# Altium PCB PCB1.PcbDoc
Units mil, origin at the board's own origin, x right, y up, seen from the top; angles counter-clockwise.
Board outline 1968.5 x 1850.39 mil, 2 copper layers (Top Layer, Bottom Layer); 26 components, 19 nets, 75 pads, 9 vias.
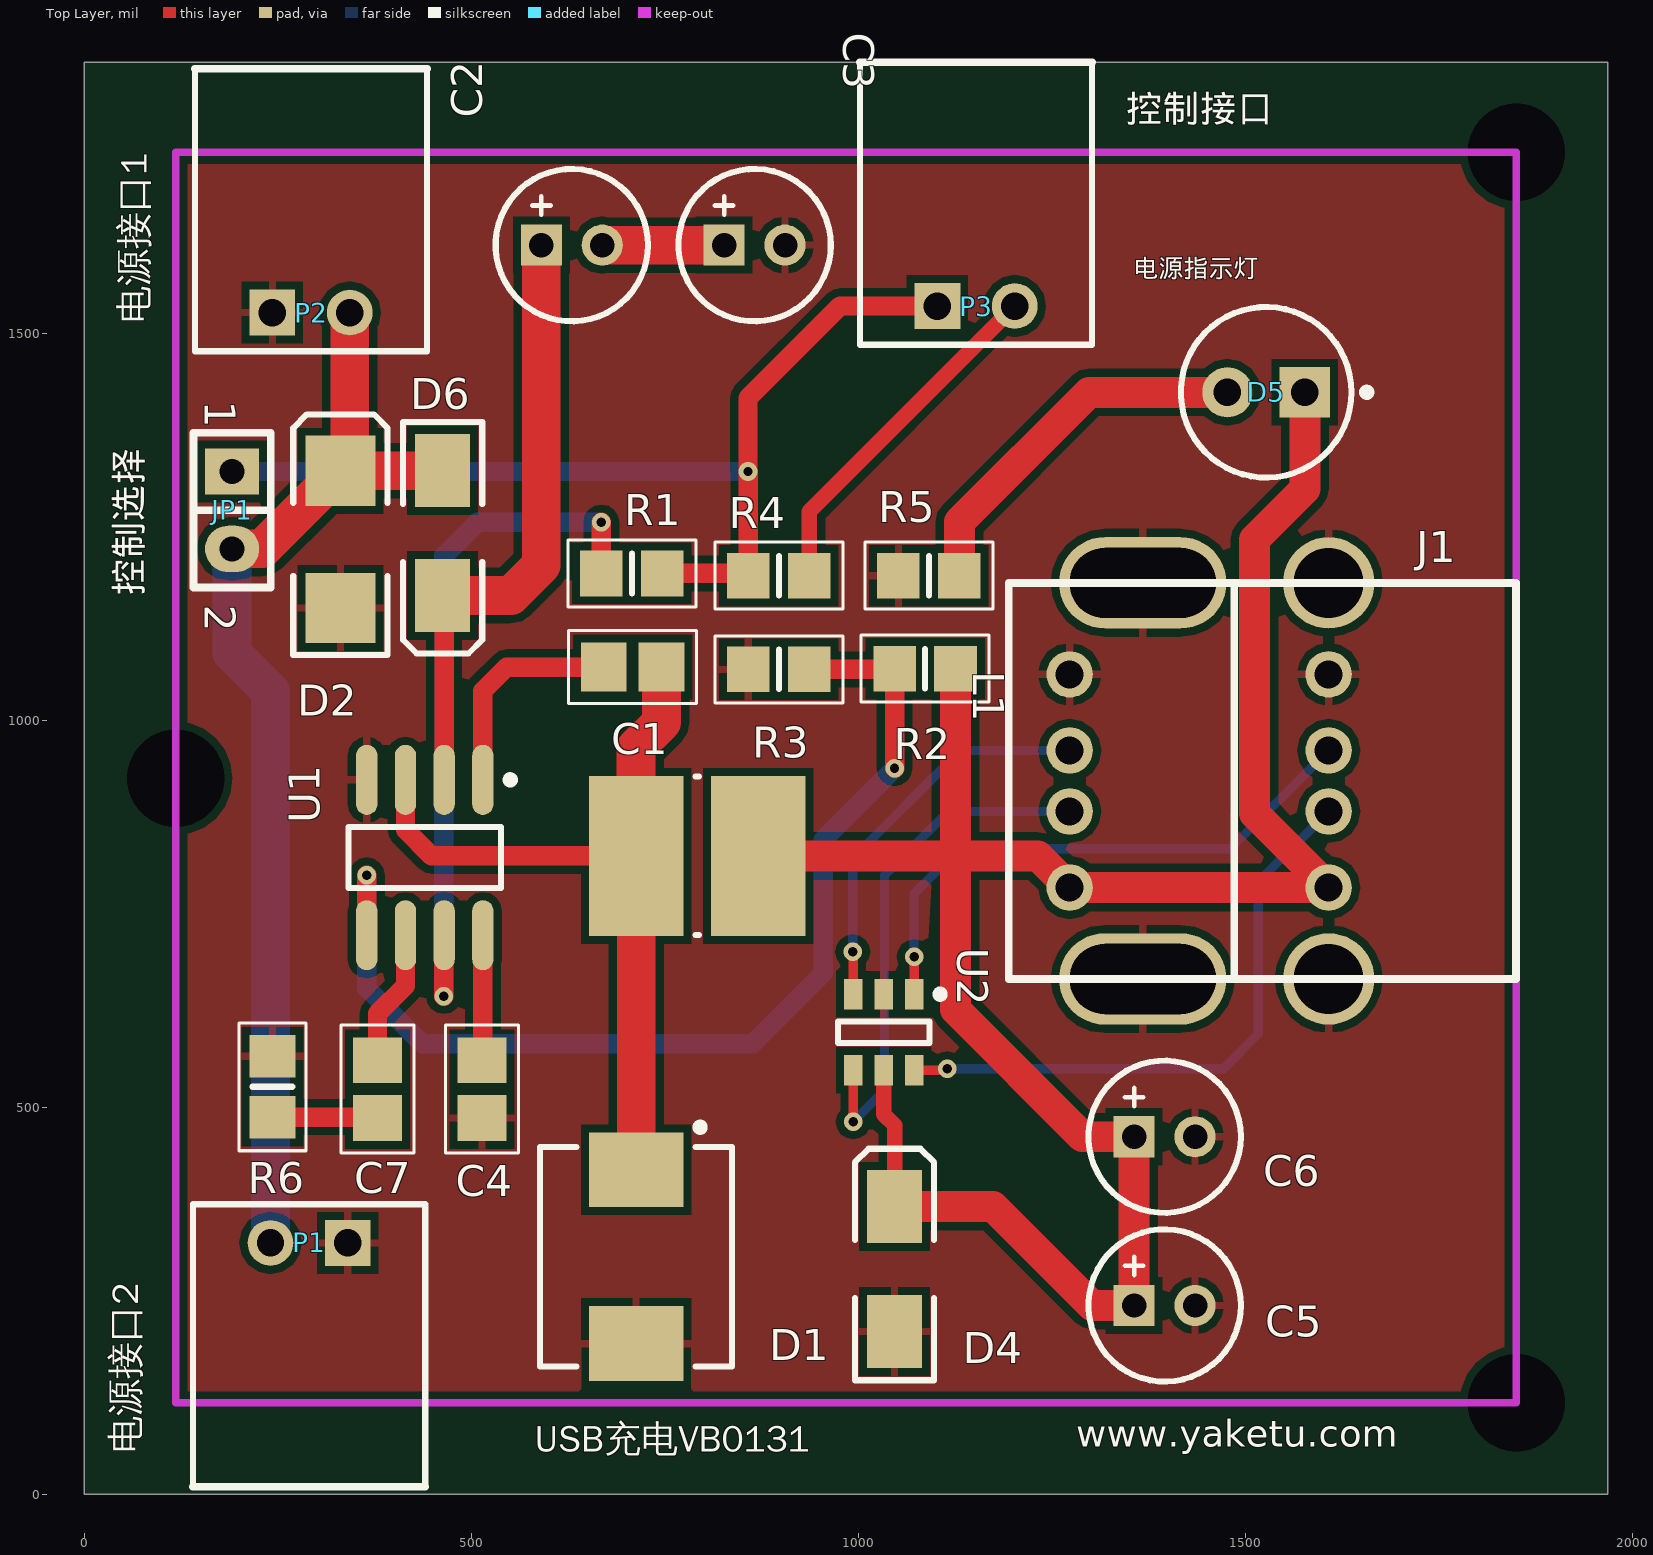
[diagram p0: Top Layer view]
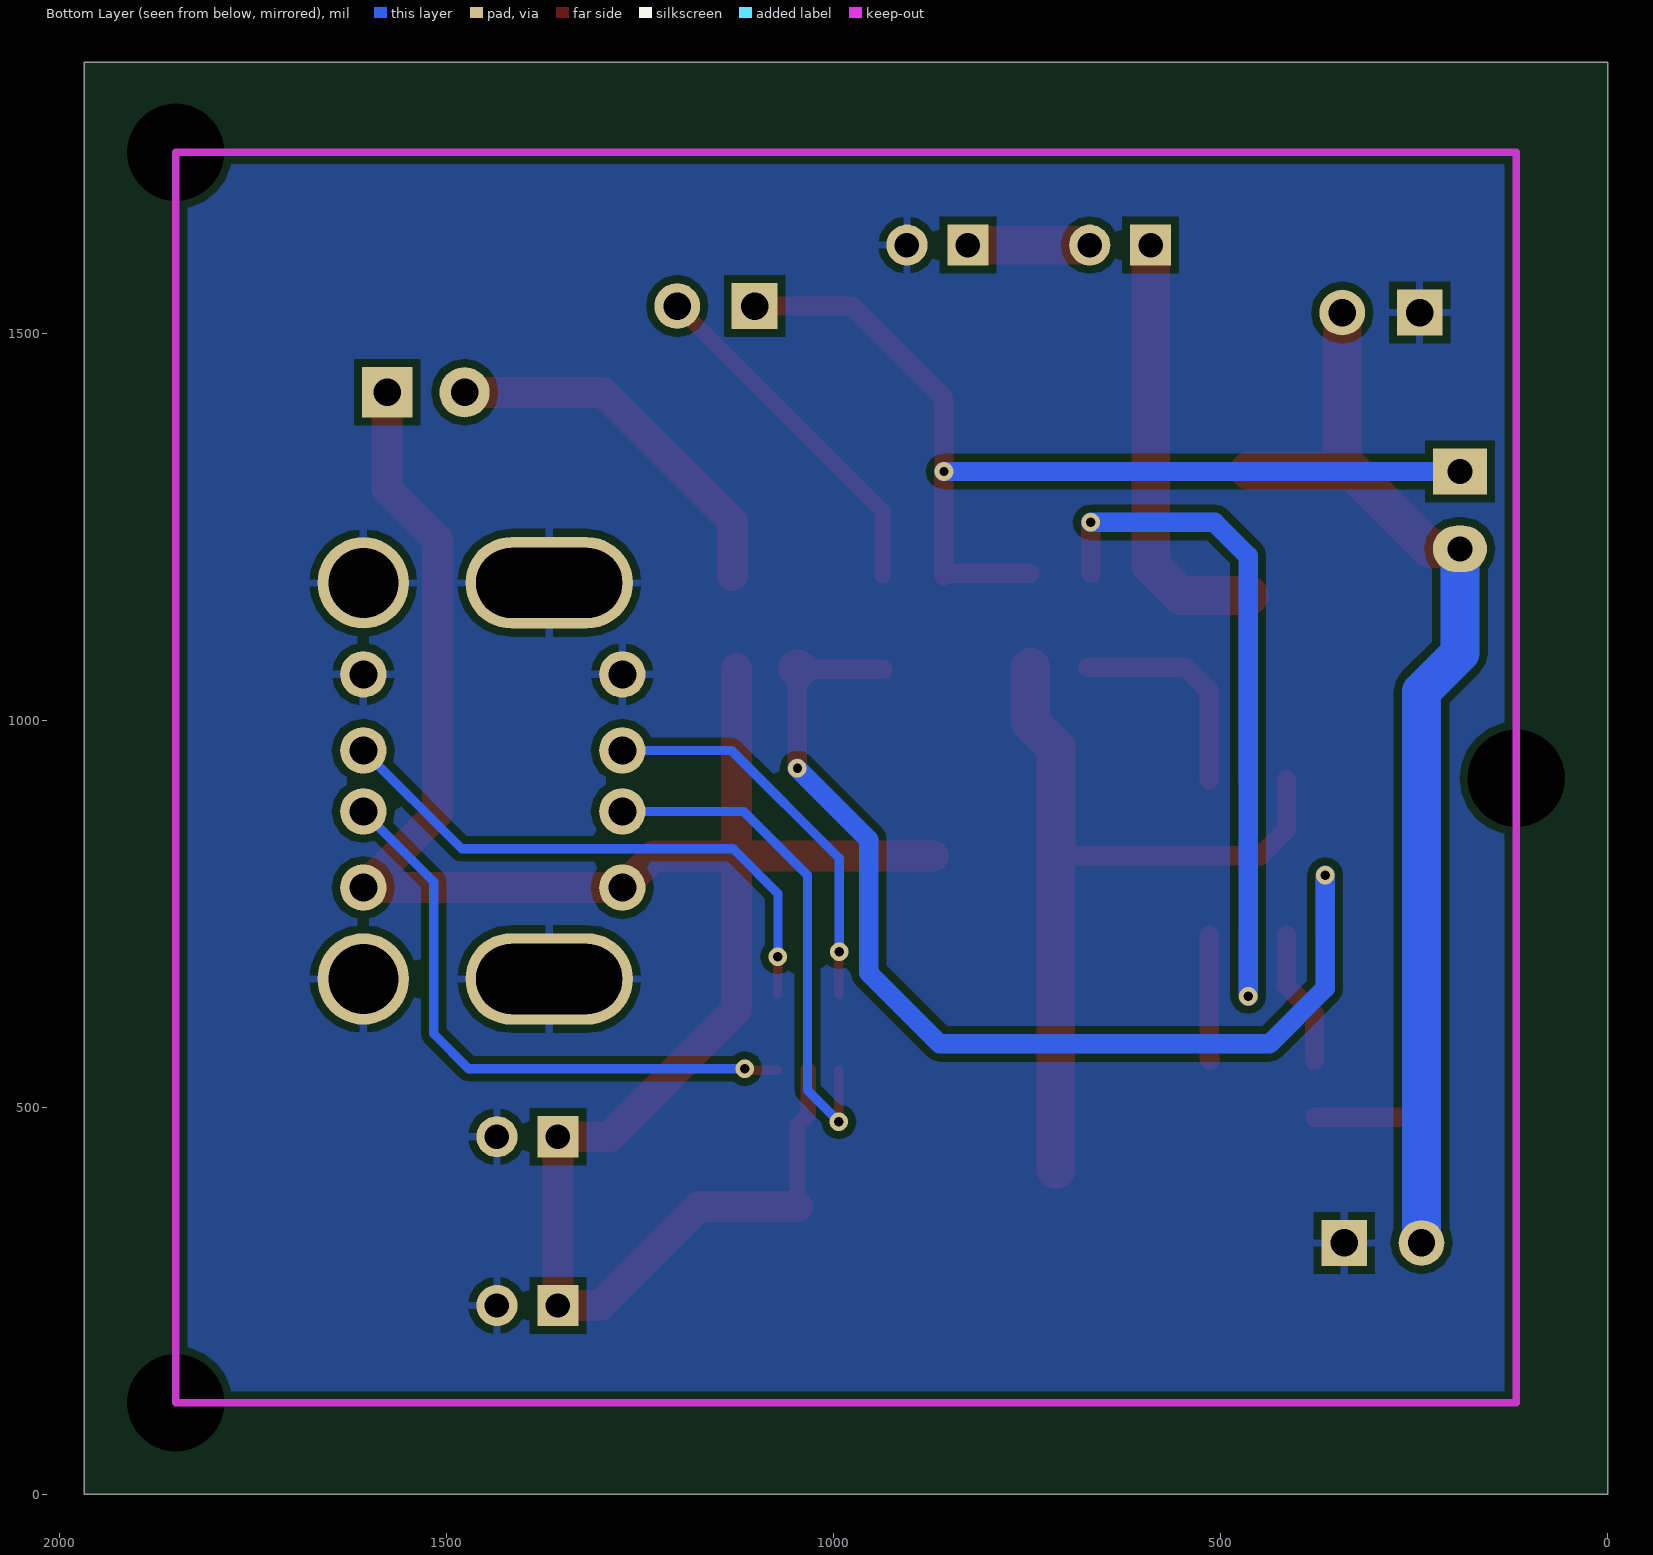
[diagram p1: Bottom Layer view, seen from below]

## Layer stack, top to bottom
Top Solder: solder mask 0.4, Solder Resist, Dk 3.5
Top Layer: signal copper 1.4
Dielectric 1: dielectric 12.6, FR-4, Dk 4.8
Bottom Layer: signal copper 1.4
Bottom Solder: solder mask 0.4, Solder Resist, Dk 3.5

## Board outline
0,0 1968.5,0 1968.5,1850.39 0,1850.39

## Design rules (kind name [scope] priority, off if disabled: settings)
Clearance [All] p1: gap=10
PolygonConnect [All] p1: connectstyle=Relief reliefconductorwidth=10 reliefentries=4 polygonreliefangle="90 Angle" airgapwidth=10
RoutingVias [All] p1: holewidth=28 width=50 viastyle="Through Hole" minholewidth=28 minwidth=50 maxholewidth=28 maxwidth=50
SolderMaskExpansion [All] p1: expansion=4
Width [All] p1: maxlimit=50 minlimit=10 preferedwidth=10
29 further rules are at their usual default settings.

## Components (designator, comment, footprint, x,y, rotation, side; value= is the part's Value field where it differs from the comment)
C1 "0.01uF" CAPC2012M 708.46,1068.9 r180 top
C2 "47uF" CAPPR2-5x11.5 629.92,1614.17 r0 top
C3 "47uF" CAPPR2-5x11.5 866.14,1614.17 r0 top
C4 "0.1uF" CAPC2012M 513.78,523.62 r90 top
C5 "47uF" CAPPR2-5x11.5 1396,244 r0 top
C6 "47uF" CAPPR2-5x11.5 1396,462 r0 top
C7 "3.9NF" CAPC2012M 378.94,523.62 r90 top
D1 "SK54" SMC 713,307 r270 top
D2 "TVS" SMB 331,1234 r90 top
D4 "TVS" DSO-C2/X1.8 1047,291 r90 top
D5 "LED" LED 1527.18,1424 r180 top
D6 "1N4007" DSO-C2/X1.8 463,1242 r270 top
J1 "双口USB接口" 双层USB接口 1608,784 r90 top
JP1 "Jumper2" JP2 190.95,1271.65 r270 top
L1 "Inductor" 15mh电感 792,825 r0 top
P1 "Header 2" XH254-2H 340.55,324.8 r180 top
P2 "Header 2" XH254-2H 243,1527 r0 top
P3 "Header 2" XH254-2H 1102.36,1535.43 r0 top
R1 "100K" RESC2012M 707.47,1189.96 r0 top
R2 "47K" RESC2012M 1086.41,1066.93 r0 top
R3 "10K" RESC2012M 897.43,1065.95 r0 top
R4 "100K" RESC2012M 897.43,1187.01 r0 top
R5 "1K" RESC2012M 1091.33,1187.01 r0 top
R6 "6.8K" RESC2012M 243.11,526.58 r270 top
U1 "CX8505" SO8_M 439.96,822.84 r270 top
U2 "CX2901" SOT23_6L 1033,597 r270 top

## Footprints (in the part's own frame and the unit in brackets; to place one, negate y for a bottom-side part, rotate by r counter-clockwise, add the part's x,y. Pads: shape width x height; smd on the part's side, far side on the other; paste and mask are expansions set on the pad)
15mh电感 [mm] "Precision Wire Wound Inductor, 2-Leads, Body 5.70x5.15mm, IPC Medium Density"
  rect 3.1x5.25 smd: 1(-2,0) 2(2,0)
  silkscreen extent -0.05,-2.6 0.05,2.6, body extent -2.95,-2.6 2.95,2.6, height 4.5
CAPC2012M [mm] "Chip Capacitor, Body 2.0x1.3mm, IPC Low Density"
  rect 1.5x1.6 smd: 1(-0.95,0) 2(0.95,0)
  silkscreen extent -2.1,-1.2 2.1,1.2, body extent -1.1,-0.72 1.1,0.72, height 1.1
CAPPR2-5x11.5 [mm] "Capacitor, Electrolytic, Radial; Body 5 x 11.5 mm (Dia.xH typ); Pin Spacing 2 mm (typ)"
  rect 1.35x1.35 hole 0.8: 1(-1,0)
  round 1.35 hole 0.8: 2(1,0)
  silkscreen extent -2.5,-2.5 2.5,2.5
DSO-C2/X1.8 [mm] "DO-214-AC/SMA; 2 C-Bend Leads; Body 5 x 2.7 mm, inc. leads (LxW)"
  rect 2.4x1.8 smd: 1(-2.05,0) 2(2.05,0)
  silkscreen extent -3.65,-1.3 3.95,1.3
JP2 [mil]
  rect 60x70 hole 32: 1(-50,0)
  oval 60x70 hole 32: 2(50,0)
  silkscreen extent -100,-50 100,50
LED [mm]
  rect 1.65x1.65 hole 0.9: 1(-1.27,0)
  round 1.65 hole 0.9: 2(1.27,0)
  silkscreen extent -3.43,-2.8 2.8,2.8
RESC2012M [mm] "Chip Resistor, Body 2.0x1.3mm, IPC Low Density"
  rect 1.4x1.5 smd: 1(-1,0) 2(1,0)
  silkscreen extent -2.1,-1.1 2.1,1.1, body extent -1.07,-0.7 1.07,0.7, height 0.65
SMB [mm] "DO-214-AA/SMB; 2 C-Bend Leads; Body 5.3 x 3.6 mm, inc. leads (LxW)"
  rect 2.3x2.3 smd: 1(-2.25,0) 2(2.25,0)
  silkscreen extent -3.8,-1.55 4.1,1.55
SMC [mm] "Molded Diode, 2-Leads, Body 6.85x5.90mm, IPC Medium Density"
  rect 2.45x3.1 smd: 1(-2.85,0) 2(2.85,0)
  silkscreen extent -4.37,-3.15 3.6,3.15
SO8_M [mm] "SOIC, 8-Leads, Body 4.9x3.9mm, Pitch 1.27mm, IPC Low Density"
  oval 2.3x0.7 smd: 1(-2.55,1.905) 2(-2.55,0.635) 3(-2.55,-0.635) 4(-2.55,-1.905) 5(2.55,-1.905) 6(2.55,-0.635) 7(2.55,0.635) 8(2.55,1.905)
  silkscreen extent -2.67,-2.5 1,2.93, body extent -2,-2.5 2,2.5, height 1.75
SOT23_6L [mm] "手机充电识别芯片"
  rect 1x0.6 smd: 1(-1.25,1) 2(-1.25,0) 3(-1.25,-1) 4(1.25,-1) 5(1.25,0) 6(1.25,1)
  silkscreen extent -1.37,-1.5 0.35,1.98, body extent -0.87,-1.51 0.87,1.51, height 1.45
XH254-2H [mm] "Connector; Header; 2 Position"
  rect 1.5x1.5 hole 0.9: 1(0,0)
  round 1.5 hole 0.9: 2(2.54,0)
  silkscreen extent -2.54,-1.27 5.08,8
双层USB接口 [mm]
  round 1.524 hole 0.92: 1(0,0) 2(2.5,0) 3(4.5,0) 4(7,0) 7(0,8.5) 8(2.5,8.5) 9(4.5,8.5) 10(7,8.5)
  round 3 hole 2.3: 5(-3,0) 6(10,0)
  oval 3x5.5 hole 2.3 slot 4.8 at 90 deg: 11(-3,6.1) 12(10,6.1)
  silkscreen extent -3,-6.15 10,10.5

## Part data
C1 C4 C7: library part Cap, "Capacitor"
C2 C3 C5 C6: library part "Cap Pol2", "Polarized Capacitor (22uf-47uf)"
D1 D6: library part Diode, "Default Diode"
D2 D4: "TVS瞬态抑制二极管"
D5: "Typical INFRARED GaAs LED"
P1 P2 P3: "Header, 2-Pin"
R1 R2 R3 R4 R5 R6: library part Res, "Resistor"

## Free pads (board coordinates)
  round 60 hole 125.98: 0(118.11,925.2) 1(1850.39,1734.25) 2(1850.39,118.11)

## Via types
v1: diameter 24, hole 12, Top Layer to Bottom Layer, 9 vias

## Nets (pads, with @x,y where several pads share a name; then routed paths per layer and width w, separated by ;. In a path a pad name is that pad's centre, name@x,y a point inside that pad or via, vN(x,y) a via of type N, cw(c..) or ccw(c..) an arc to the next point about the centre after c; other vN are vias at no path point)
+12V: D2.2 D6.1 JP1.2 P1.2 P2.2 | length 1443.2
  Top Layer w50: JP1.2@192.72,1223.43 JP1.2 230.07,1221.65 D2.2 ; P2.2 343,1334.58 D2.2 ; D6.1 462.87,1322.58 D2.2
  Bottom Layer w50: JP1.2 190.95,1087.05 240.55,1037.45 P1.2
EN: JP1.1 P3.1 R1.2 R4.1 | length 1303.5
  Top Layer w25: R1.2 855.11,1189.96 R4.1 858.06,1321.65 v1(857.65,1321.65) 857.65,1416.65 976.43,1535.43 1009.43,1535.43 P3.1
  Bottom Layer w25: JP1.1 v1(857.65,1321.65) v1@858.06,1321.65
GND: C3.2 C4.1 C5.2 C6.2 D1.2 D2.1 D4.1 J1.4 J1.5 J1.6 J1.10 J1.11 J1.12 P1.1 P2.1 R3.1 R5.1 R6.1 U1.4 U2.2
NetC1_1: C1.1 D1.1 L1.1 U1.3 | length 1039.8
  Top Layer w25: U1.3 414.96,858.66 448.62,825 L1.1@712.8,825
  Top Layer w50: L1.1@712.8,825 712.8,964.8 745.86,997.86 C1.1 ; D1.1 713.26,419.46 L1.1
NetC1_2: C1.2 U1.1 | length 283.6
  Top Layer w25: U1.1 514.96,1037.96 545.9,1068.9 C1.2
NetC2_1: C2.1 D6.2 U1.2 | length 796.3
  Top Layer w25: D6.2 464.96,1159.33 U1.2
  Top Layer w50: D6.2 551.29,1161.29 590.55,1200.55 C2.1
NetC2_2: C2.2 C3.1 | length 157.5
  Top Layer w50: C2.2 C3.1
NetC4_2: C4.2 U1.8 | length 161.9
  Top Layer w25: C4.2 514.96,562.21 U1.8
NetC7_1: C7.1 R6.2 | length 134.8
  Top Layer w25: R6.2 C7.1@377.95,487.21
NetC7_2: C7.2 U1.6 | length 176.3
  Top Layer w25: C7.2 378.94,621.06 414.96,657.09 U1.6
NetD5_2: D5.2 R5.2 | length 485.5
  Top Layer w40: R5.2 1130.7,1256.7 1298,1424 D5.2
NetP3_2: P3.2 R4.2 | length 458.4
  Top Layer w20: R4.2 936.8,1269.87 P3.2
NetR1_1: R1.1 U1.7 | length 935.2
  Top Layer w25: v1(464.57,643.7) 464.57,722.05 U1.7 ; R1.1 v1(668.1,1255.91)
  Bottom Layer w25: v1(464.57,643.7) 464.57,1212.6 507.87,1255.91 v1(668.1,1255.91)
NetR2_1: R2.1 R3.2 U1.5 | length 1423.3
  Top Layer w25: U1.5 v1(364.96,800.04) ; R3.2 R2.1@1046.06,1065.95 ; v1(1047.04,938.04) R2.1
  Top Layer w50: R2.1@1046.06,1065.95 R2.1
  Bottom Layer w25: v1(364.96,800.04) 364.96,654.04 437,582 863,582 955,674 955,846 v1(1047.04,938.04)
USB1D+: J1.3 U2.1 | length 743.6
  Top Layer w12: v1@1072,695 v1(1072.37,694.63) U2.1
  Bottom Layer w12: v1@1072,694 1072,776 1130,834 1480.83,834 J1.3
USB1D-: J1.2 U2.6 | length 789.3
  Top Layer w12: U2.6 1112.79,547.79 v1(1115,550)
  Bottom Layer w12: v1(1115,550) 1472,550 1517,595 1517,791.43 J1.2
USB2D+: J1.9 U2.3 | length 513
  Top Layer w12: v1(993,701) 993.63,700.37 U2.3
  Bottom Layer w12: v1@993,702 993,822 1132.17,961.17 J1.9
USB2D-: J1.8 U2.4 | length 675.9
  Top Layer w12: v1(993.63,481.37) U2.4
  Bottom Layer w12: v1@993,481 1034,522 1034,800 1116.43,882.43 J1.8
VOUT_5V: C5.1 C6.1 D4.2 D5.1 J1.1 J1.7 L1.2 R2.2 U2.5 | length 2962.7
  Top Layer w20: U2.5 1033,491 1047,477 D4.2
  Top Layer w40: L1.2@871,825 1125.78,825 ; D4.2 1174.29,371.71 1302,244 C5.1 C6.1 1290,462 1125.78,626.22 1125.78,825 ; R2.2 1125.78,825 ; D5.1 1577.18,1299.18 1512,1234 1512,880 J1.1 J1.7 1232.35,825 1125.78,825

## Polygon pours and split planes (outlines as drawn)
GND on Top Layer "Top Layer-No Net" (solid, remove dead copper, pour order 6): -3,1849 -1.61,1850.39 1968.5,1850.39 1968.5,0 1968.51,0 0,0
GND on Bottom Layer "Top Layer-No Net" (solid, remove dead copper, pour order 8): 0,1850.39 1968.5,1850.39 1969,1849.9 1969,2 0,2

## Keep-outs
Keep-Out Layer:
  lines w10: 118.11,118.11 1850.39,118.11 1850.39,1734.25 118.11,1734.25 118.11,118.11

## Silkscreen, mask and mechanical layers (free items; w line width, h text height)
Top Overlay:
  text "1、板四周3个安装孔不镀锡" at 2536.08,1762.6 h150
  text "控制接口" at 1346,1762 h60
  text "2、机械层为板边界" at 2531.52,1586.69 h150
  text "电源指示灯" at 1356,1565 h40
  text "电源接口1" at 92,1513 h60 r90
  text "3、拼版，2*2块为一大块，各块中间开V槽" at 2531.52,1409.53 h150
  text "4、过孔盖油" at 2531.52,1224.53 h150
  text "控制选择" at 86,1161 h60 r90
  text "电源接口2" at 81,53 h60 r90
  text "www.yaketu.com" at 1282,50 h60
  text "USB充电VB0131" at 582,43 h60
Mechanical 1:
  lines w10: 1968.5,1850.39 0,1850.39 0,0 1968.5,0 1968.5,1850.39 ; 1968.5,1850.39 1968.5,1850.39

## Text inside footprints (layer, text, board x,y; h text height)
JP1: Top Overlay "1" at 155.51,1413.39 h40 r270; Top Overlay "2" at 155.51,1149.61 h40 r270